# Altium PCB DIO-SMA.PCBDOC (part 1 of 2) (continued)
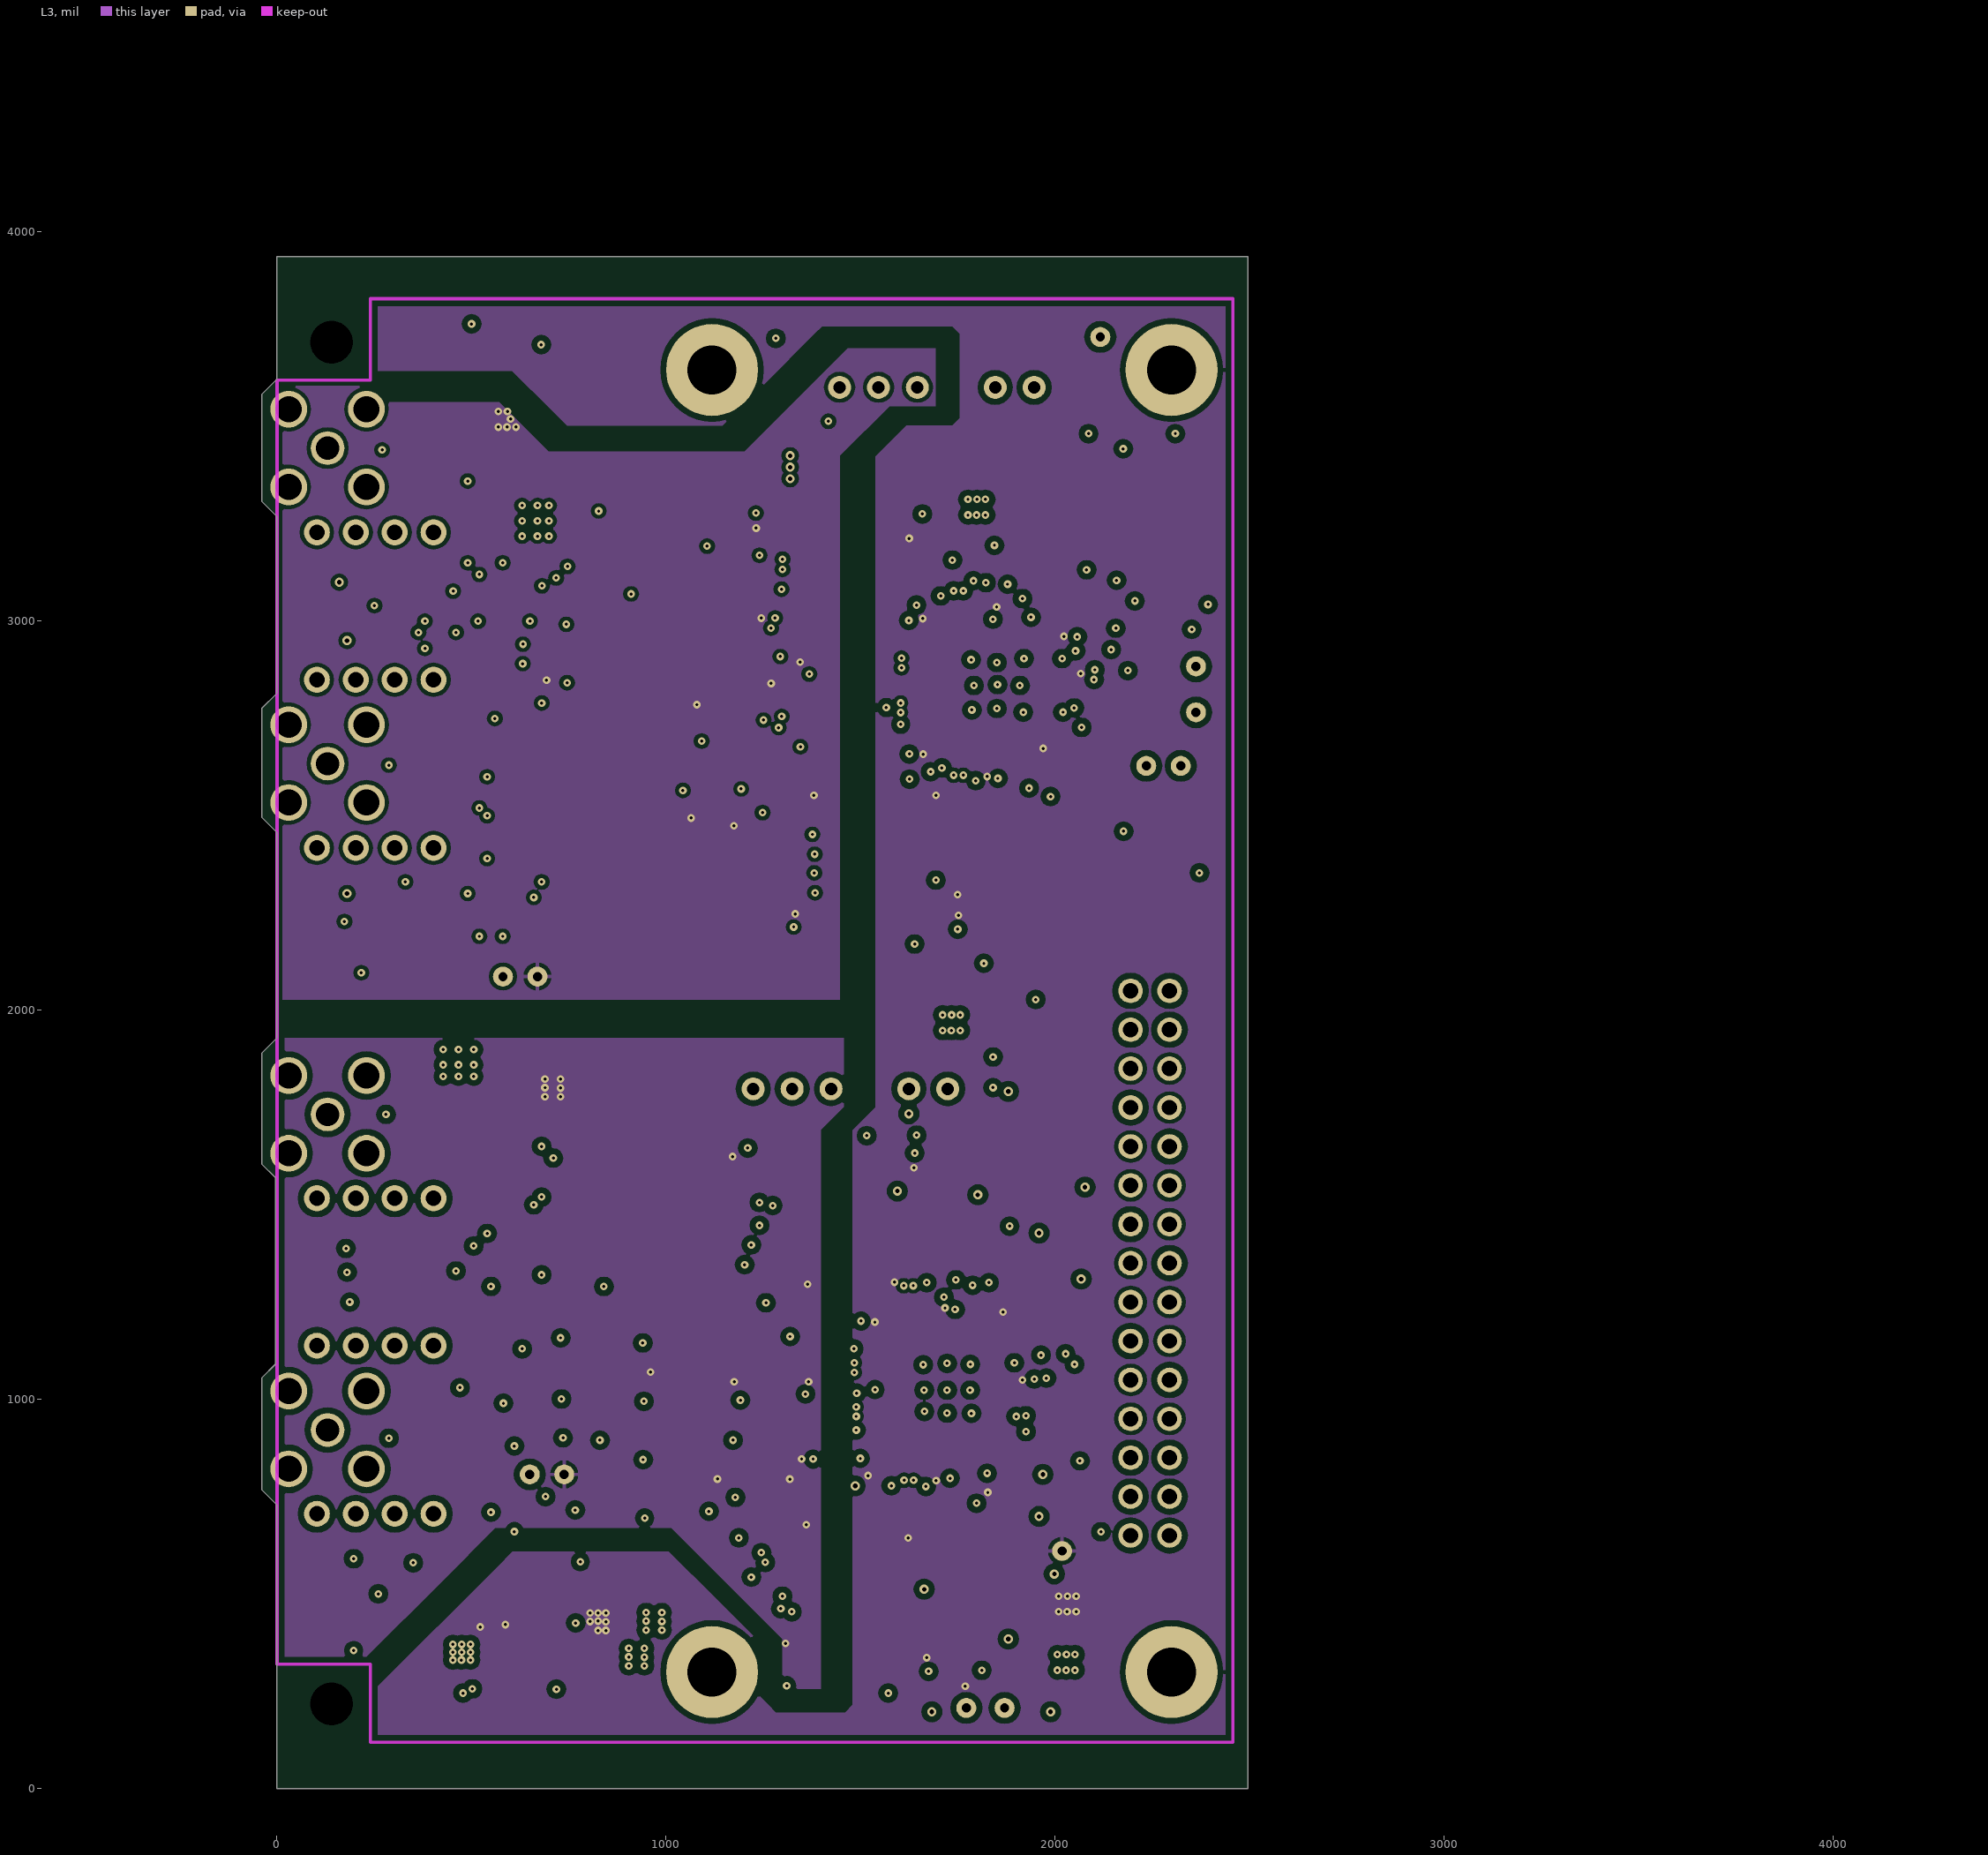
[diagram p3: L3]
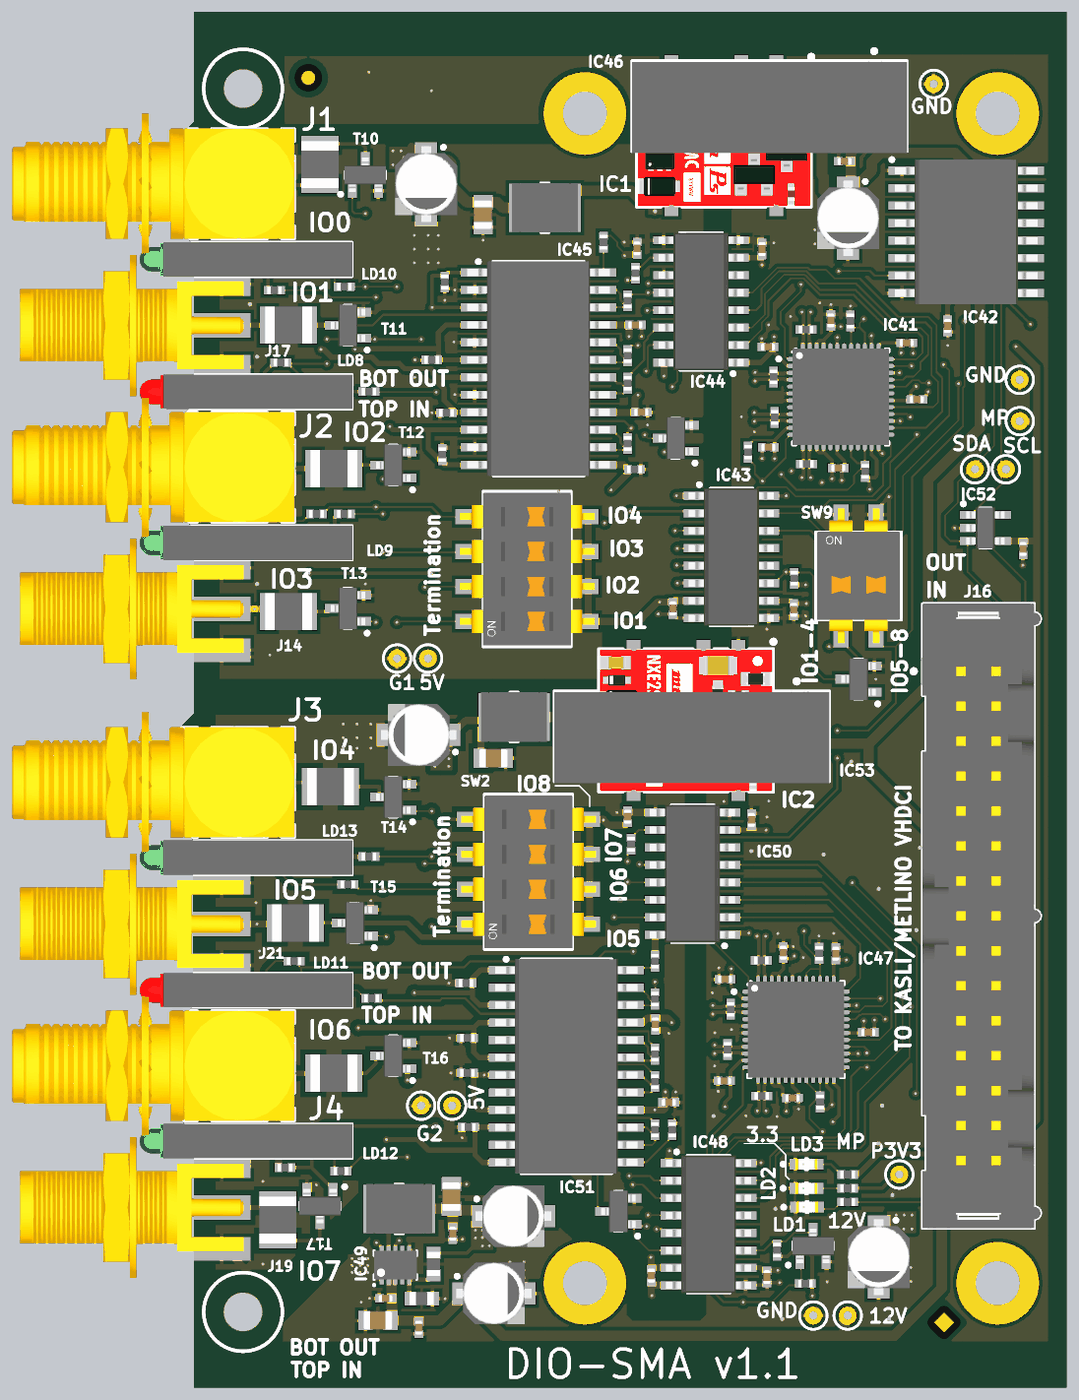
[diagram p5: 3D render of the assembled board from above, using the file's embedded part models]
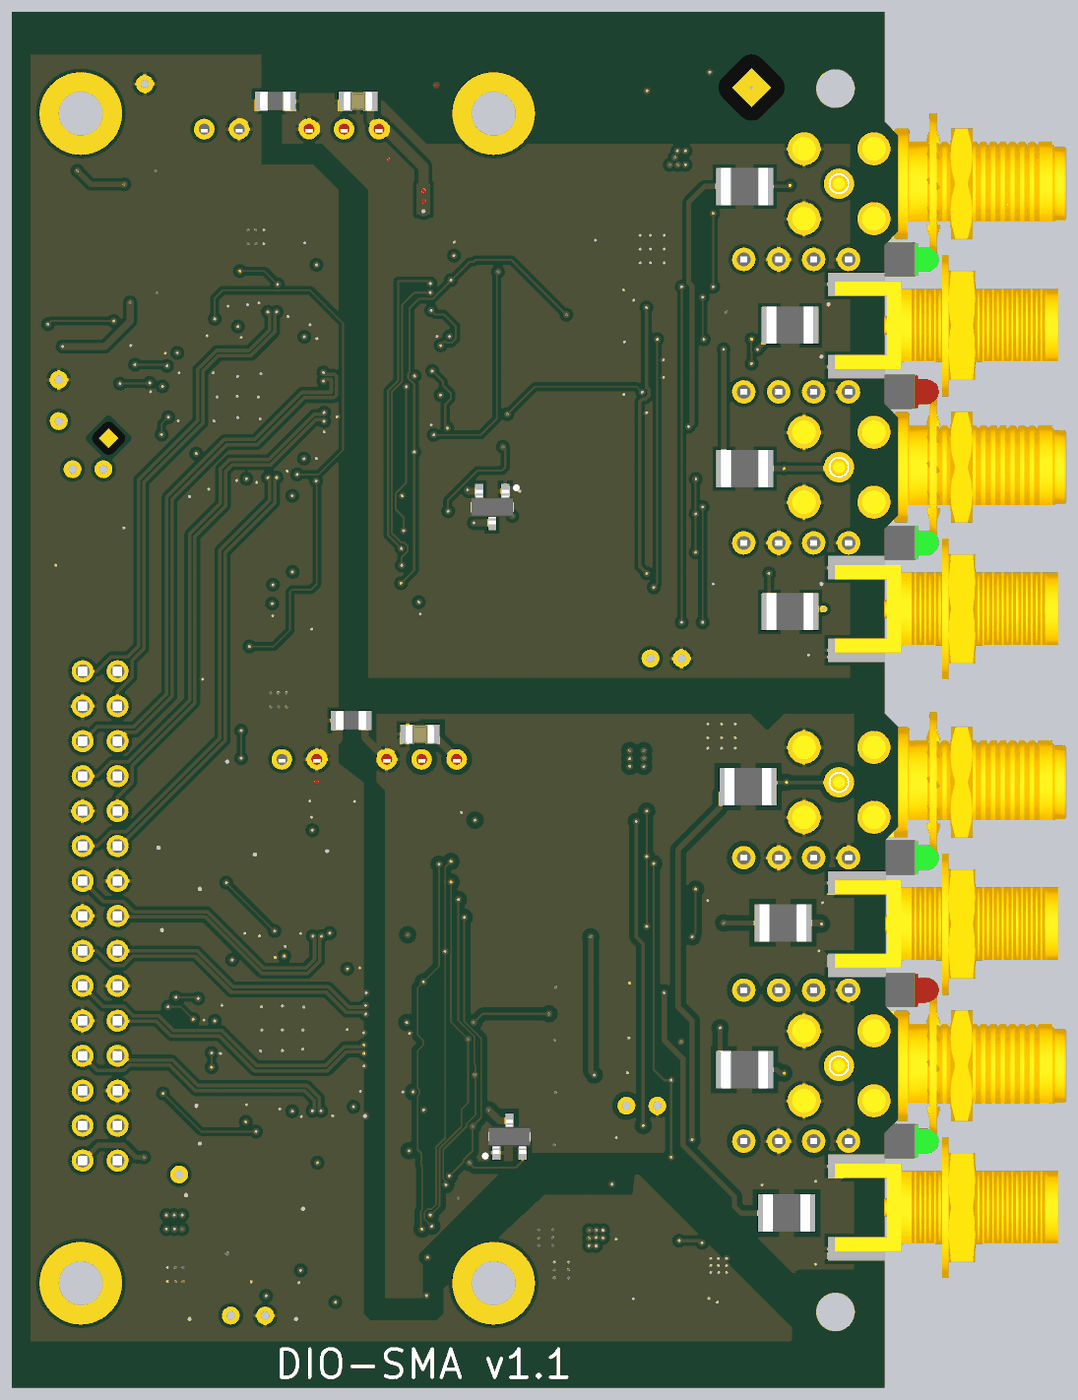
[diagram p6: 3D render of the assembled board from below, using the file's embedded part models]

## Layer stack, top to bottom
TopSolder: solder mask 0.4, Solder Resist, Dk 3.5
Top: signal copper 1.4
Dielectric1: core 15, FR-4, Dk 4.8
MP(G): plane copper 1.4169
Dielectric6: core 27.5591, Dk 4.2
L3: signal copper 1.4169
Dielectric2: prepreg 14.9606, Dk 4.2
Bot: signal copper 1.4
BottomSolder: solder mask 0.4, Solder Resist, Dk 3.5

## Board outline
-39.37,767.72 -39.37,1055.12 -3.74,1090.75 -3.74,1569.48 -39.37,1605.11 -39.37,1889.76 0,1929.13 0,2456.69 -39.37,2496.06 -39.37,2775.59 0,2814.96 0,3268.7 -39.37,3308.07 -39.37,3582.68 0,3622.05 0,3937 2496.06,3937 2496.06,0 0,0 0,728.35

## Design rules (kind name [scope] priority, off if disabled: settings)
Clearance Clearance_poly [InPolygon] p1: gap=10 ignorepadtopadclearanceinfootprint=FALSE except(0: Arc-Hole Track-Hole SMDPad-Hole THPad-Hole Via-Hole Fill-Hole Poly-Hole Region-Hole Text-Hole)
Clearance Clearance_DIFF [(InDifferentialPairClass('All Differential Pairs'))] p2: gap=5 ignorepadtopadclearanceinfootprint=FALSE except(0: Arc-Hole Track-Hole SMDPad-Hole THPad-Hole Via-Hole Fill-Hole Poly-Hole Region-Hole Text-Hole)
Clearance [All] p3: gap=5 ignorepadtopadclearanceinfootprint=FALSE except(0: Arc-Hole Track-Hole SMDPad-Hole THPad-Hole Via-Hole Fill-Hole Region-Hole Text-Hole; 10: Arc-Region Track-Region SMDPad-Region THPad-Region Via-Region Fill-Region Poly-Poly Poly-Region Poly-Text Poly-Hole Region-Region)
ComponentClearance [All] p1 off: gap=10 collisioncheckmode=3 verticalgap=10 showdistances=FALSE
DiffPairsRouting [All] p1: maxlimit=10 minlimit=5 mostfreqgap=5 toplayer_minwidth=15 toplayer_maxwidth=15 toplayer_prefwidth=15 midlayer1_minwidth=15 midlayer1_maxwidth=15 midlayer1_prefwidth=15 bottomlayer_minwidth=15 bottomlayer_maxwidth=15 bottomlayer_prefwidth=15 maxuncoupledlength=500
FabricationTestPointUsage TestPointUsage [All] p1: valid=0 allowmultiple=FALSE
FabricationTestpoint Testpoint [All] p1: side=3 testpointundercomponent=TRUE minsize=40 maxsize=100 preferedsize=60 minholesize=20 maxholesize=40 preferedholesize=32 testpointgrid=1 allowsidetop=TRUE allowsidebottom=TRUE usegrid=TRUE gridtolerance=0.01
Height [All] p1 off: minheight=0 maxheight=1000 prefheight=500
HoleSize [All] p1: absolutevalues=TRUE maxlimit=150 minlimit=1 maxpercent=80.000 minpercent=20.000
HoleToHoleClearance [All] p1: gap=1 allowstackedmicrovias=TRUE
MinimumSolderMaskSliver [All] p1: minsoldermaskwidth=0
PlaneClearance [All] p1: clearance=10
PlaneConnect [All] p1: planeconnectstyle=Direct reliefexpansion=20 reliefentries=4 reliefconductorwidth=10 reliefairgap=10
PolygonConnect PolygonConnect_pad [(InPadClass('All Pads'))] p1: connectstyle=Relief reliefconductorwidth=10 reliefentries=4 polygonreliefangle="90 Angle" airgapwidth=10
PolygonConnect [All] p2: connectstyle=Direct reliefconductorwidth=10 reliefentries=4 polygonreliefangle="45 Angle" airgapwidth=10
RoomDefinition DIO-SMA [InComponentClass('DIO-SMA')] p1 off: confinementstyle=ConfineIn formatcopy=TRUE lockcomponents=FALSE outline 2545.26,62.98 7348.4,62.98 7348.4,338.57 2545.26,338.57
RoomDefinition DIO-SMA_Supply [InComponentClass('DIO-SMA_Supply')] p2 off: confinementstyle=ConfineIn formatcopy=TRUE lockcomponents=FALSE outline 2545.26,72.82 9740.13,72.82 9740.13,1007.86 2545.26,1007.86
RoutingVias [All] p1: holewidth=7.87 width=19.68 viastyle="Through Hole" minholewidth=7.87 minwidth=19.68 maxholewidth=28 maxwidth=50
SilkToSilkClearance [All] p1: silktosilkclearance=0
SilkToSolderMaskClearance SilkscreenOverComponentPads [IsPad] p1: minsilkscreentomaskgap=0 clearancetoexposedcopper=TRUE
SolderMaskExpansion [All] p1: expansion=2
Width [All] p1: maxlimit=50 minlimit=5 preferedwidth=5
18 further rules are at their usual default settings.

## Classes and differential pairs
component class DIO-SMA: B2 B3 C163 C189 C190 C191 C192 C200 IC3 IC4 IC5 IC8 IC9 IC10 IC11 IC41 IC42 IC43 IC44 IC45 IC47 IC48 IC49 IC50 IC51 IC52 J1 J2 J3 J4 J14 J16 J17 J19 J21 L17 LD8 LD9 LD10 LD11 LD12 LD13 R4 R5 R6 R7 R8 R9 R10 R11 R12 R13 R14 R15 R16 R17 R19 R20 R21 R22 R23 R24 R29 R194 R195 R196 R197 R198 R199 R200 R201 R202 R203 R204 R205 R206 R207 R208 R209 R210 R211 R212 R213 R214 R215 R216 R217 R218 R219 R220 R221 R222 R223 R224 R225 R226 R227 R228 R229 R230 R231 R232 R233 R234 R235 R236 R237 R238 R239 R240 R241 SW2 SW3 SW9 T10 T11 T12 T13 T14 T15 T16 T17 T26 T27 T28 T29
component class DIO-SMA_Supply: B1 B4 B5 B6 B7 B8 B9 B10 B11 B12 C1 C2 C3 C4 C5 C6 C164 C165 C166 C167 C168 C169 C170 C171 C172 C173 C174 C175 C176 C177 C178 C179 C180 C181 C182 C183 C184 C185 C186 C187 C188 C193 C194 C195 C196 C197 C198 C199 FTG9 FTG10 FTG11 FTG12 IC1 IC2 IC46 IC53 LD1 LD2 LD3 R1 R2 R3 R18 R25 WASHER1 WASHER2 WASHER3 WASHER4 WASHER5 WASHER6 WASHER7 WASHER8 WASHER9 WASHER10
differential pair LVDS7: +LVDS6_P -LVDS6_N
differential pair LVDS6: +LVDS5_P -LVDS5_N
differential pair LVDS5: +LVDS4_P -LVDS4_N
differential pair LVDS4: +LVDS3_P -LVDS3_N
differential pair LVDS3: +LVDS2_P -LVDS2_N
differential pair LVDS2: +LVDS1_P -LVDS1_N
differential pair LVDS0: +LVDS0_P -LVDS0_N
differential pair LVDS7: +LVDS7_P -LVDS7_N

## Components (designator, comment, footprint, x,y, rotation, side; value= is the part's Value field where it differs from the comment)
B1 "Plated Hole" c130h60 2116.14,3730.32 r0 top
B2 "Plated Hole" c130h60 2234.25,2627.95 r0 top
B3 "Plated Hole" c130h60 2322.83,2627.95 r0 top
B4 "Plated Hole" c130h60 2362.2,2883.86 r0 top
B5 "Plated Hole" c130h60 2362.2,2765.75 r0 top
B6 "Plated Hole" c130h60 1771.65,206.69 r0 top
B7 "Plated Hole" c130h60 2017.72,610.24 r0 top
B8 "Plated Hole" c130h60 1870.08,206.69 r0 top
B9 "Plated Hole" c130h60 669.29,2086.61 r0 top
B10 "Plated Hole" c130h60 580.71,2086.61 r0 top
B11 "Plated Hole" c130h60 738.19,807.09 r0 top
B12 "Plated Hole" c130h60 649.61,807.09 r0 top
C1 "10uH" IND_MURATA-PS_8400 1003.94,3375.98 r0 top
C2 "22uF" CAPC2012X135N 1505.91,3681.1 r180 bottom
C3 "22uF" CAPC2012X135N 826.77,3356.3 r90 top
C4 "10uH" IND_MURATA-PS_8400 915.35,1919.29 r0 top
C5 "22uF" CAPC2012X135N 856.3,1801.18 r180 top
C6 "22uF" CAPC2012X135N 1328.74,1870.08 r180 bottom
C163 "100nF" CAPC1005X55N 2372,2400 r90 top
C164 "100nF" CAPC1005X55N 1370,2230 r90 top
C165 "100nF" CAPC1005X55N 1262.53,3040.84 r180 top
C166 "100nF" CAPC1005X55N 1279.53,2790.84 r180 top
C167 "100nF" CAPC1005X55N 1267.57,3260.15 r270 top
C168 "10uF" CAPAE430X540N 664.06,3443.79 r270 top
C169 "100nF" CAPC1005X55N 643,172 r90 top
C170 "10uF" CAPAE430X540N 1871,3346 r270 top
C171 "100nF" CAPC1005X55N 1625,3257.88 r270 top
C172 "100nF" CAPC1005X55N 1843,2632 r180 top
C173 "100nF" CAPC1005X55N 1822,3054 r270 top
C174 "100nF" CAPC1005X55N 2068,2828 r180 top
C175 "100nF" CAPC1005X55N 1642,2978 r0 top
C176 "100nF" CAPC1005X55N 1643,2691 r0 top
C177 "100nF" CAPC1005X55N 1716,2226 r90 top
C178 "100nF" CAPC1005X55N 1595,1625 r270 top
C179 "10uF" CAPAE430X540N 1958.66,374.02 r270 top
C180 "100nF" CAPC1005X55N 2039,2990 r180 top
C181 "100nF" CAPC1005X55N 1836,1242 r270 top
C182 "100nF" CAPC1005X55N 740.16,440.94 r90 top
C183 "100nF" CAPC1005X55N 1639,317 r90 top
C184 "100nF" CAPC1005X55N 1929,1017 r180 top
C185 "100nF" CAPC1005X55N 1712,829 r180 top
C186 "100nF" CAPC1005X55N 1517,878 r0 top
C187 "100nF" CAPC1005X55N 1519,1169 r0 top
C188 "10uF" CAPAE430X540N 914,491 r0 top
C189 "100nF" CAPC1005X55N 1686,1245 r270 top
C190 "22uF" CAPC2012X135N 736.22,547.24 r270 top
C191 "100nF" CAPC1005X55N 548,256 r0 top
C192 "22uF" CAPC2012X135N 526,193 r0 top
C193 "100nF" CAPC1005X55N 1861,3509 r0 top
C194 "10uF" CAPAE430X540N 858,270 r0 top
C195 "100nF" CAPC1005X55N 1308,321 r90 top
C196 "100nF" CAPC1005X55N 1358.27,816.93 r180 top
C197 "100nF" CAPC1005X55N 1320,1040 r90 top
C198 "100nF" CAPC1005X55N 1240.16,1633.86 r270 top
C199 "10uF" CAPAE430X540N 642.46,1868 r180 top
C200 "100nF" CAPC1005X55N 2156,3038 r90 top
FTG9 "Use only in PCB" FIDUCIAL_TOP_C100-200 326.77,3748.03 r90 top
FTG10 "Use only in PCB" FIDUCIAL_TOP_S100-200 2145.67,187.01 r90 top
FTG11 "Use only in PCB" FIDUCIAL_TOP_S200-400 380,3720 r180 bottom
FTG12 "Use only in PCB" FIDUCIAL_TOP_S100-200 2219.54,2716.54 r90 bottom
IC1 "NXE2S1205MC" DCDC_MURATA_NXE2 1515.75,3582.68 r180 top
IC2 "NXE2S1205MC" DCDC_MURATA_NXE2 1407.48,1909.45 r180 top
IC3 "MCP810T-315I/TT" SOT95P237X112-3N 1122.05,2519.68 r270 bottom
IC4 "MCP810T-315I/TT" SOT95P237X112-3N 1072.83,718.5 r90 bottom
IC41 "SN65MLVD040RGZT" QFN50P700X700X100-49N-S420 1850,2835 r0 top
IC42 "PCF8574ADW" SOIC127P1030X265-16N 2209,3307 r0 top
IC43 "SI8651BB-B-IS1" SOIC127P600X175-16N 1537,2377 r0 top
IC44 "SI8651BB-B-IS1" SOIC127P600X175-16N 1450.57,3108.15 r180 top
IC45 "SN74BCT25245DW" SOIC127P1030X265-24N 985.52,2915.84 r0 top
IC46 "DNP" DCDC_TRACO_TMA 1646,3601 r180 top
IC47 "SN65MLVD040RGZT" QFN50P700X700X100-49N-S420 1722,1025 r0 top
IC48 "SI8651BB-B-IS1" SOIC127P600X175-16N 1472,468 r0 top
IC49 "TPS62175DQC" SON50P200X300X80-11N-R94X250 576,351 r90 top
IC50 "SI8651BB-B-IS1" SOIC127P600X175-16N 1426,1471 r180 top
IC51 "SN74BCT25245DW" SOIC127P1030X265-24N 1065,920 r0 top
IC52 "24AA02E48T-I/OT" SOT95P280X145-5N 2264,2460 r0 top
IC53 "DNP" DCDC_TRACO_TMA 1424,1798 r180 top
J1 "SMA" RF249BT0050GHDW 129.92,3444.88 r180 top
J2 "SMA" RF249BT0050GHDW 129.92,2633.86 r180 top
J3 "SMA" RF249BT0050GHDW 129.92,1732.28 r180 top
J4 "SMA" RF249BT0050GHDW 129.92,921.26 r180 top
J14 "SMA" MOLEX_73251-2120 78.74,2228.35 r0 top locked
J16 "Familly" 3M_N2530-6002RB 2244,1350 r270 top locked
J17 "SMA" MOLEX_73251-2120 78.74,3039.37 r0 top locked
J19 "SMA" MOLEX_73251-2120 78.74,515.75 r0 top locked
J21 "SMA" MOLEX_73251-2120 78.74,1326.77 r0 top locked
L17 "10uH" IND_MURATA-PS_8400 586.61,511.81 r0 top
LD1 "Green" LED_KINGBRIGHT_KPH-1608CGCK 1753.7,516.81 r0 top
LD2 "Green" LED_KINGBRIGHT_KPH-1608CGCK 1751.97,570.87 r0 top
LD3 "Green" LED_KINGBRIGHT_KPH-1608CGCK 1751.97,639.76 r0 top
LD8 "Red/Green" LED_DIALIGHT_571-0112F 102.36,2849.41 r0 top locked
LD9 "Green/Green" LED_DIALIGHT_571-0122F 102.36,2417.32 r0 top locked
LD10 "Green/Green" LED_DIALIGHT_571-0122F 102.36,3228.35 r0 top locked
LD11 "Red/Green" LED_DIALIGHT_571-0112F 102.36,1137.8 r0 top locked
LD12 "Green/Green" LED_DIALIGHT_571-0122F 102.36,705.71 r0 top locked
LD13 "Green/Green" LED_DIALIGHT_571-0122F 102.36,1516.73 r0 top locked
R1 "10k" RESC1005X40N 1870.08,531.5 r0 top
R2 "510" RESC1005X40N 1870.08,570.87 r180 top
R3 "510" RESC1005X40N 1870.08,610.24 r180 top
R4 "30R" RESC3225X70N 400,3437.01 r0 bottom
R5 "30R" RESC3225X70N 270,3040 r0 bottom
R6 "22" RESC1005X40N 1240.16,2874.02 r90 top
R7 "22" RESC1005X40N 1240.16,2952.76 r90 top
R8 "30R" RESC3225X70N 400,2630 r0 bottom
R9 "22" RESC1005X40N 1240.16,3110.24 r90 top
R10 "30R" RESC3225X70N 270,2220.32 r0 bottom
R11 "30R" RESC3225X70N 390,1720 r0 bottom
R12 "Undefined" RESC1005X40N 1259.84,2627.95 r180 top
R13 "30R" RESC3225X70N 290,1330 r0 bottom
R14 "22" RESC1005X40N 1318.9,738.19 r90 top
R15 "22" RESC1005X40N 1318.9,875.98 r90 top
R16 "22" RESC1005X40N 1318.9,954.72 r90 top
R17 "100" RESC1005X40N 1262.75,3188.98 r90 top
R18 "100k" RESC2012X60N 1742.13,3681.1 r0 bottom
R19 "Undefined" RESC1005X40N 1368.11,738.19 r270 top
R20 "30R" RESC3225X70N 400,910 r0 bottom
R21 "22" RESC1005X40N 1318.9,1112.2 r90 top
R22 "30R" RESC3225X70N 280,500 r0 bottom
R23 "100" RESC1005X40N 1250,1555.12 r90 top
R25 "100k" RESC2012X60N 1525.59,1909.45 r0 bottom
R29 "22" RESC1005X40N 1240.16,2701.47 r90 top
R194 "510" RESC1005X40N 248.03,2933.07 r180 top
R195 "510" RESC1005X40N 500,2850 r180 top
R196 "10k" RESC1005X40N 1717,2316 r270 top
R197 "10k" RESC1005X40N 1584.65,2677.17 r90 top
R198 "100" RESC1005X40N 1878,3052 r90 top
R199 "49R9" RESC3225X70N 360,3500 r270 top
R200 "10k" RESC1005X40N 710,2670 r270 top
R201 "100" RESC1005X40N 1751,3028 r180 top
R202 "49R9" RESC3225X70N 270,3040 r180 top
R203 "10k" RESC1005X40N 721.84,2789.63 r0 top
R204 "100" RESC1005X40N 1658,2892 r270 top
R205 "49R9" RESC3225X70N 400,2630 r180 top
R206 "10k" RESC1005X40N 680.02,2940.84 r0 top
R207 "100" RESC1005X40N 1661,2776 r270 top
R208 "49R9" RESC3225X70N 270,2220.32 r180 top
R209 "10k" RESC1005X40N 717.52,3163.35 r90 top
R210 "10k" RESC1005X40N 1171.26,3277.56 r90 top
R211 "100" RESC1005X40N 1752,2643 r0 top
R212 "10k" RESC1005X40N 1920,2622 r270 top
R213 "510" RESC1005X40N 430,3150 r180 top
R214 "510" RESC1005X40N 230,3140 r180 top
R215 "510" RESC1005X40N 430,2500 r180 top
R216 "510" RESC1005X40N 350,2500 r180 top
R217 "510" RESC1005X40N 286.22,1220.47 r180 top
R218 "10k" RESC1005X40N 1668,394 r270 top
R219 "10k" RESC1005X40N 1749,298 r0 top
R220 "510" RESC1005X40N 507.87,1114.17 r180 top
R221 "100" RESC1005X40N 1791,818 r270 top
R222 "10k" RESC1005X40N 785,746 r0 top
R223 "49R9" RESC3225X70N 390,1720 r180 top
R224 "100" RESC1005X40N 1623,1223 r180 top
R225 "49R9" RESC3225X70N 290,1329.99 r180 top
R226 "10k" RESC1005X40N 782,901 r0 top
R227 "100" RESC1005X40N 1535,1083 r270 top
R228 "49R9" RESC3225X70N 400,900 r180 top
R229 "10k" RESC1005X40N 782,1001 r0 top
R230 "100" RESC1005X40N 1526,968 r270 top
R231 "270k" RESC1608X55N 685,354 r90 top
R232 "49R9" RESC3225X70N 240,480 r90 top
R233 "10k" RESC1005X40N 778,1158 r0 top
R234 "100" RESC1005X40N 1624,835 r0 top
R235 "10k" RESC1005X40N 1788,1243 r90 top
R236 "10k" RESC1005X40N 1318.9,1220.47 r90 top
R237 "82k" RESC1608X55N 651,255 r180 top
R238 "510" RESC1005X40N 500,1520 r180 top
R239 "510" RESC1005X40N 440,1440 r180 top
R240 "510" RESC1005X40N 420,620 r180 top
R241 "510" RESC1005X40N 260,630 r180 top
SW2 "Switch" SW_OMRON_A6S-4102-H 956.69,1476.38 r180 top
SW3 "Switch" SW_OMRON_A6S-4102-H 952.76,2342.52 r180 top
SW9 "Switch" SW_OMRON_A6S-2102-H 1901,2322.83 r90 top
T10 "BSS138LT1G" SOT95P240X110-3N 490,3470 r90 top
T11 "BSS138LT1G" SOT95P240X110-3N 440,3040 r180 top
T12 "BSS138LT1G" SOT95P240X110-3N 570,2640 r180 top
T13 "BSS138LT1G" SOT95P240X110-3N 440,2230 r180 top
T14 "BSS138LT1G" SOT95P240X110-3N 570,1690 r180 top
T15 "BSS138LT1G" SOT95P240X110-3N 460,1330 r180 top
T16 "BSS138LT1G" SOT95P240X110-3N 570,950 r180 top
T17 "BSS138LT1G" SOT95P240X110-3N 360,520 r270 top
T26 "BSS138LT1G" SOT95P240X110-3N 1901,2027.56 r180 top
T27 "BSS138LT1G" SOT95P240X110-3N 1377.95,2716.54 r180 top
T28 "BSS138LT1G" SOT95P240X110-3N 1771,406 r90 top
T29 "BSS138LT1G" SOT95P240X110-3N 1214,505 r180 top
WASHER1 "D11.1xd6.6" Keystone_7687 -99,3039 r0 top
WASHER2 "D11.1xd6.6" Keystone_7687 -100,3446 r0 top
WASHER3 "D11.1xd6.6" Keystone_7687 -198,3039 r180 top
WASHER4 "D11.1xd6.6" Keystone_7687 -100,1733 r0 top
WASHER5 "D11.1xd6.6" Keystone_7687 -100,920 r0 top
WASHER6 "D11.1xd6.6" Keystone_7687 -100,2634 r0 top
WASHER7 "D11.1xd6.6" Keystone_7687 -100,2222 r0 top
WASHER8 "D11.1xd6.6" Keystone_7687 -100,516 r0 top
WASHER9 "D11.1xd6.6" Keystone_7687 -198,516 r180 top
WASHER9 "D11.1xd6.6" Keystone_7687 -198.58,1733 r180 top
WASHER9 "D11.1xd6.6" Keystone_7687 -198.58,922 r180 top
WASHER9 "D11.1xd6.6" Keystone_7687 -99,1324 r0 top
WASHER10 "D11.1xd6.6" Keystone_7687 -198,3445 r180 top
WASHER10 "D11.1xd6.6" Keystone_7687 -197,2228 r180 top
WASHER10 "D11.1xd6.6" Keystone_7687 -198,1327 r180 top
WASHER10 "D11.1xd6.6" Keystone_7687 -198.58,2632 r180 top

## Footprints (in the part's own frame and the unit in brackets; to place one, negate y for a bottom-side part, rotate by r counter-clockwise, add the part's x,y. Pads: shape width x height; smd on the part's side, far side on the other; paste and mask are expansions set on the pad)
3M_N2530-6002RB [mm] "30 Contacts - Straight .100\" x .100\" Low Profile Four-Wall Header"
  round 1.6 hole 1: 1(-17.78,-1.27) 2(-17.78,1.27) 3(-15.24,-1.27) 4(-15.24,1.27) 5(-12.7,-1.27) 6(-12.7,1.27) 7(-10.16,-1.27) 8(-10.16,1.27) 9(-7.62,-1.27) 10(-7.62,1.27) 11(-5.08,-1.27) 12(-5.08,1.27) 13(-2.54,-1.27) 14(-2.54,1.27) 15(0,-1.27) 16(0,1.27) 17(2.54,-1.27) 18(2.54,1.27) 19(5.08,-1.27) 20(5.08,1.27) 21(7.62,-1.27) 22(7.62,1.27) 23(10.16,-1.27) 24(10.16,1.27) 25(12.7,-1.27) 26(12.7,1.27) 27(15.24,-1.27) 28(15.24,1.27) 29(17.78,-1.27) 30(17.78,1.27)
  silkscreen extent -22.71,-4.85 22.71,4.52, body extent -22.71,-4.11 22.71,4.52, height 9.91
c130h60 [mm] "Plated Through Hole: Hole Dia.=0.6mm Pad Dia.=1.30mm"
  round 1.3 hole 0.6: 1(0,0)
  silkscreen extent -1,-1 1,1
CAPAE430X540N [mm] "Capacitor, Aluminium Electrolytric, 4.3mm L X 4.3mm W X 5.4mm H, IPC Medium Density"
  rect 2.55x1.6 smd: 1(-1.75,0) 2(1.75,0)
  silkscreen extent -2.8,-2.15 2.15,2.15, body extent -2.75,-2.25 2.75,2.25, height 5.7
CAPC1005X55N [mm] "Chip Capacitor, Body 1.0x0.55mm, IPC Medium Density"
  rect 0.62x0.62 smd: 1(-0.45,0) 2(0.45,0)
  body extent -0.52,-0.27 0.53,0.28, height 0.55
CAPC2012X135N [mm] "Chip Capacitor, Body 2.0x1.25mm, IPC Medium Density"
  rect 1.05x1.4 smd: 1(-0.9,0) 2(0.9,0)
  silkscreen extent 0,-0.58 0,0.58, body extent -1.05,-0.67 1.05,0.68, height 1.25
DCDC_MURATA_NXE2 [mm] "NXE2 Series, Body 12.7 x 10.4, Height 4.4mm"
  rect 1x2.3 smd: 1(-3.81,-4.7) 3(-1.27,-4.7) 7(3.81,-4.7) 8(3.81,4.7) 14(-3.81,4.7)
  silkscreen extent -6.5,-5.86 6.35,5.21, body extent -6.35,-5.21 6.35,5.21, height 4.41